# KiCad board fz1_oled_IDC_adapter.kicad_pcb
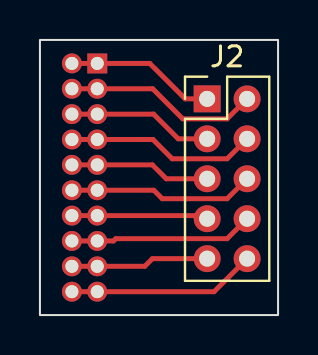
[diagram p0: board, top side]
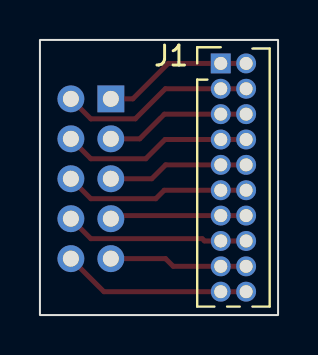
[diagram p1: board, bottom side, seen from below]

Outline 11.93 x 13.78 mm; copper layers: Top, Bottom. Coordinates in mm from the lower left corner of the outline.
Outline path: rectangle 0,13.78 11.93,0

## Placement (name value [footprint] x y rotation side)
J1  small_2x10  [PinHeader_2x10_P1.27mm_Vertical]  2.87 12.6 180 bottom
J2  big_2x5  [PinHeader_2x05_P2.00mm_Vertical]  8.38 10.83 0 top

## Library data of the parts
J1 = -: Description: Generic connector, double row, 02x10, odd/even pin numbering scheme (row 1 odd numbers, row 2 even numbers), script generated (kicad-library-utils/schlib/autogen/connector/); ki_fp_filters: Connector*:*_2x??_*
J2 = -: Description: Generic connector, double row, 02x05, odd/even pin numbering scheme (row 1 odd numbers, row 2 even numbers), script generated (kicad-library-utils/schlib/autogen/connector/); ki_fp_filters: Connector*:*_2x??_*

## Footprints (pads in the part's own frame, mm; a bottom-side part is the same pattern mirrored in y, then rotated)
PinHeader_2x05_P2.00mm_Vertical
  rect 1.35x1.35 hole 0.8: 1(0,0)
  round 1.35 hole 0.8: 2(2,0) 3(0,-2) 4(2,-2) 5(0,-4) 6(2,-4) 7(0,-6) 8(2,-6) 9(0,-8) 10(2,-8)
PinHeader_2x10_P1.27mm_Vertical
  rect 1x1 hole 0.65: 1(0,0)
  round 1 hole 0.65: 2(1.27,0) 3(0,-1.27) 4(1.27,-1.27) 5(0,-2.54) 6(1.27,-2.54) 7(0,-3.81) 8(1.27,-3.81) 9(0,-5.08) 10(1.27,-5.08) 11(0,-6.35) 12(1.27,-6.35) 13(0,-7.62) 14(1.27,-7.62) 15(0,-8.89) 16(1.27,-8.89) 17(0,-10.16) 18(1.27,-10.16) 19(0,-11.43) 20(1.27,-11.43)

## Nets
1: J1.1 J1.2 J2.1
2: J1.3 J1.4 J2.2
3: J1.5 J1.6 J2.3
4: J1.7 J1.8 J2.4
5: J1.9 J1.10 J2.5
6: J1.11 J1.12 J2.6
7: J1.13 J1.14 J2.7
8: J1.15 J1.16 J2.8
9: J1.17 J1.18 J2.9
10: J1.19 J1.20 J2.10

## Routing (per net, layer and track width the routed paths; a pad name or vN(x,y) marks a point on that pad's centre or on a via; arc(x,y) is an arc through that point)
1: length 7.5
  Top w0.25: J2.1 7.28,10.83 5.5,12.6 J1.2
2: length 9.8
  Top w0.25: J2.2 9.38,9.83 7.15,9.83 5.65,11.33 J1.3 J1.4
3: length 7.3
  Top w0.25: J1.6 J1.5 5.69,10.06 6.93,8.83 J2.3
4: length 9.6
  Top w0.25: J2.4 9.38,7.83 6.62,7.83 5.66,8.79 J1.7 J1.8
5: length 7.1
  Top w0.25: J2.5 6.33,6.83 5.63,7.52 J1.9 J1.10
6: length 9.4
  Top w0.25: 1.6,6.25 5.7,6.25 6.12,5.83 9.38,5.83 J2.6
7: length 6.8
  Top w0.25: J2.7 8.22,4.98 J1.14
8: length 9.4
  Top w0.25: J2.8 9.38,3.83 3.8,3.83 3.69,3.71 J1.15 J1.16 1.72,3.83
9: length 6.9
  Top w0.25: J2.9 5.64,2.83 5.25,2.44 J1.18
10: length 9.5
  Top w0.25: 1.6,1.17 8.72,1.17 J2.10
